# Allegro board RK_EXCAVATOR_MAIN_V12_20161114_FZBFINAL.brd (continued)
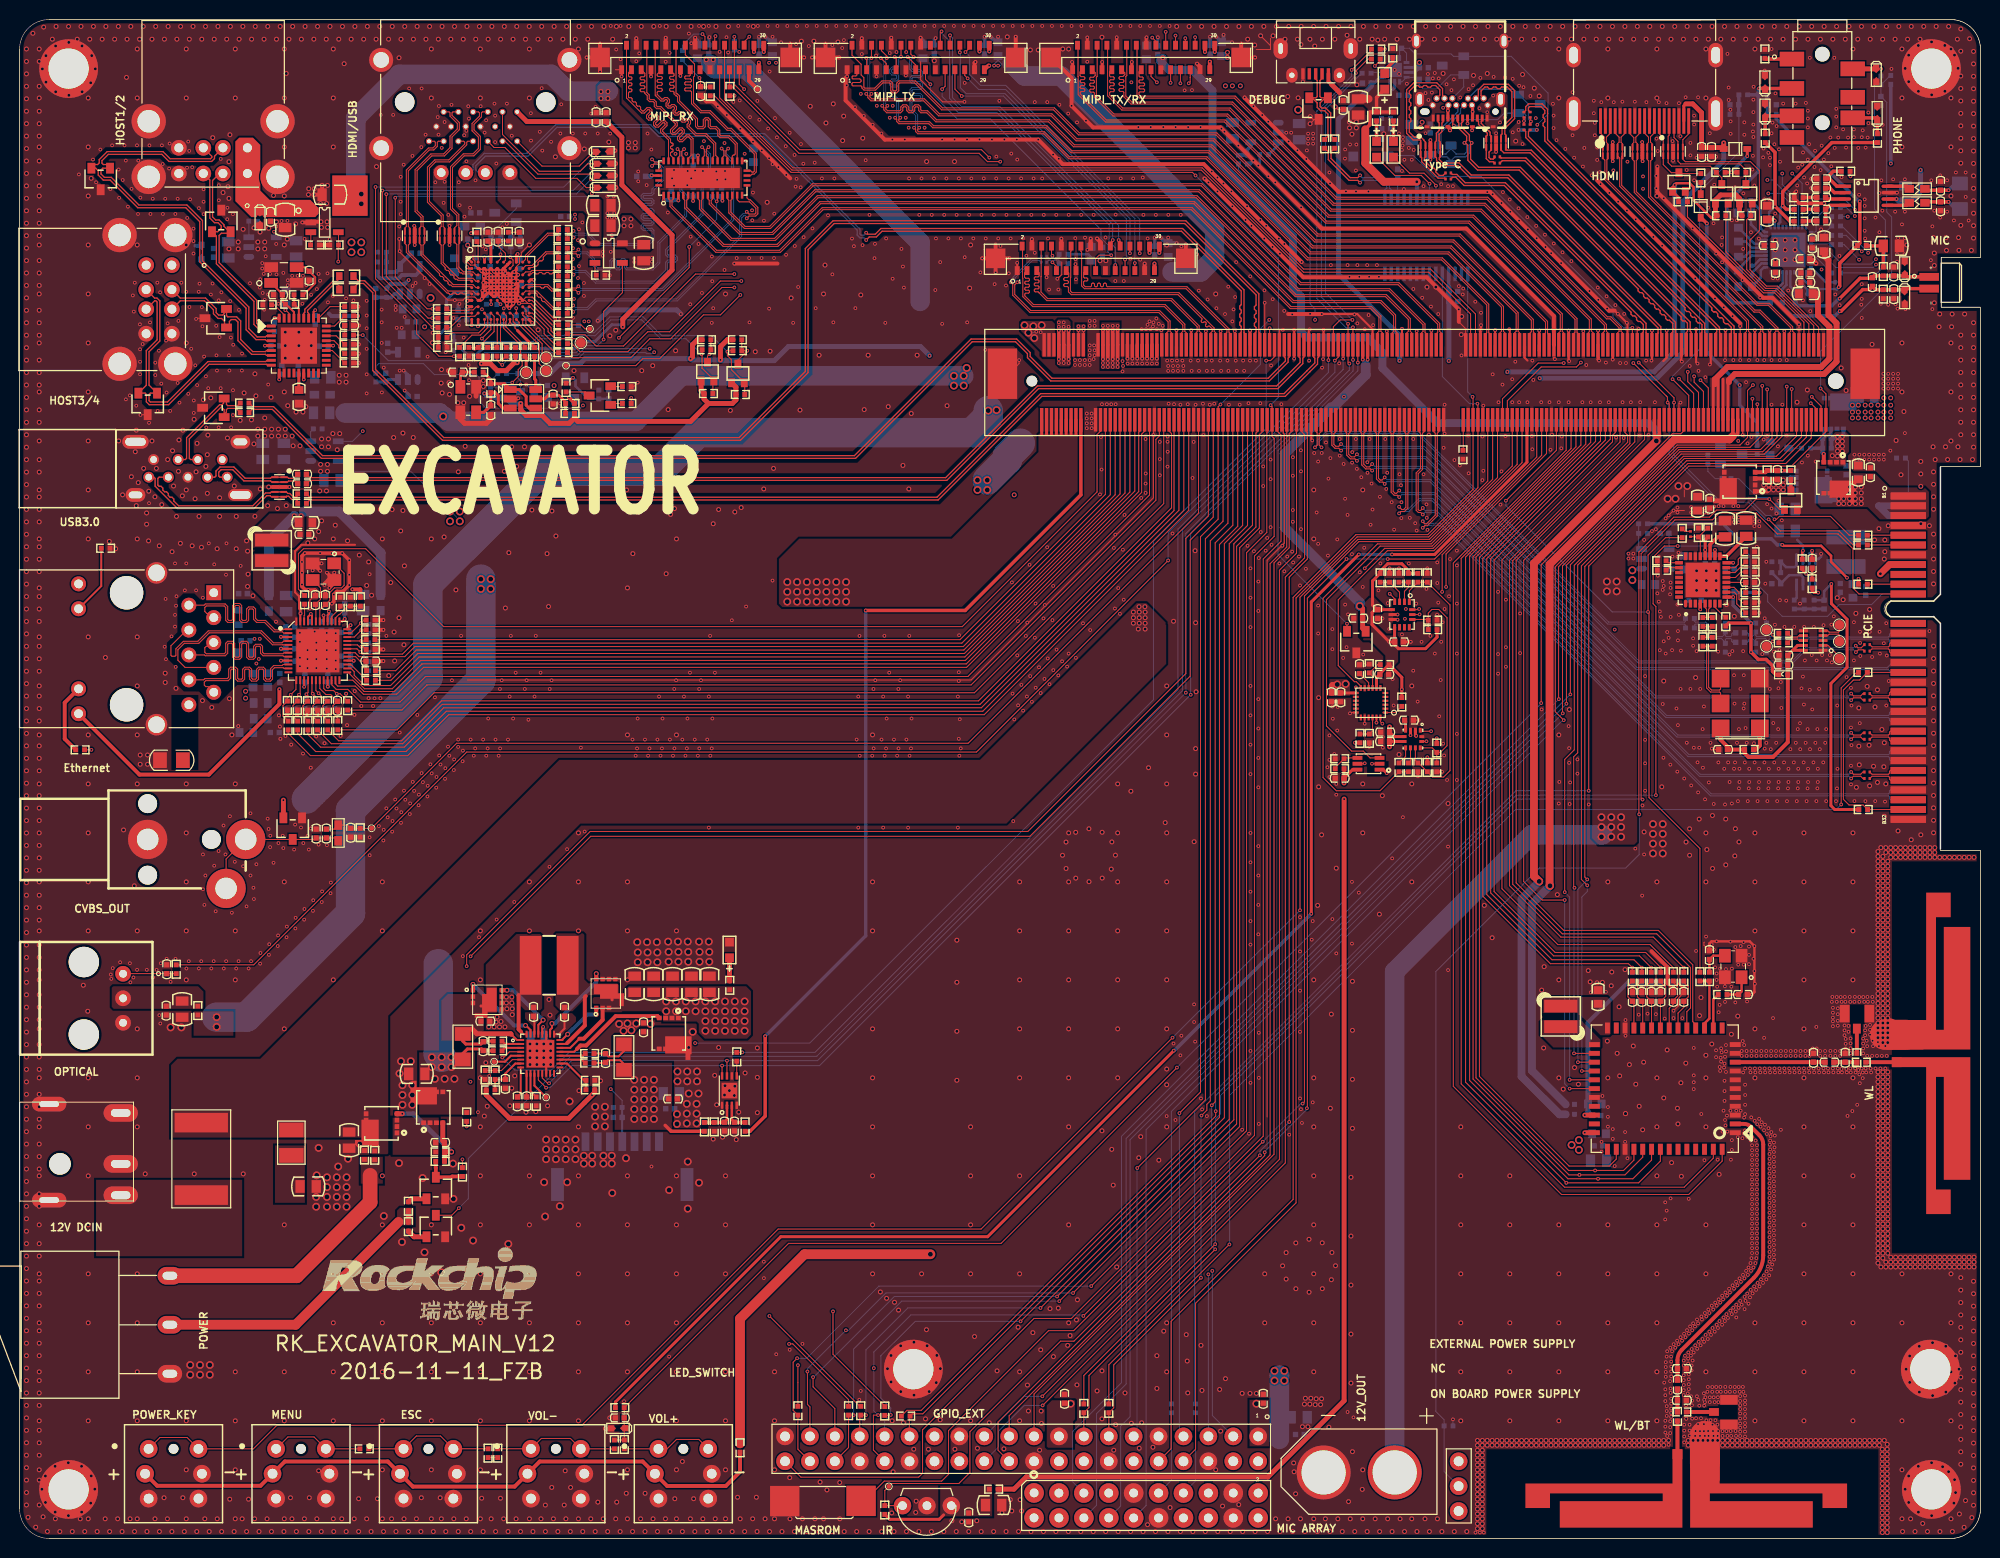
[diagram p0: board, top side]
## Routing (per net, layer and track width the routed paths; a pad name or vN(x,y) marks a point on that pad's centre or on a via; arc(x,y) is an arc through that point) (continued)
MIPI_RX0_D1N: length 84.6
  TOP w0.102: U4601.10 70.19,136.71 70.34,136.56 70.34,136.17 73.43,133.08 76.84,133.08 81.19,137.43 120.27,137.43 130.37,127.33 139.67,127.33 143.15,123.85 143.15,123.18 143,123.03 J9001.152
MIPI_RX0_D1P: length 84.6
  TOP w0.102: U4601.11 70.69,136.71 70.54,136.56 70.54,136.26 73.52,133.28 76.76,133.28 81.11,137.63 120.36,137.63 130.45,127.54 139.75,127.54 143.35,123.94 143.35,123.09 143.5,122.95 J9001.154
MIPI_RX0_D2N: length 84.9
  TOP w0.102: U4601.5 67.69,136.71 67.84,136.56 67.84,135.77 71.75,131.86 77.35,131.86 81.7,136.21 119.77,136.21 129.86,126.12 138.8,126.12 140.15,124.77 140.15,123.18 140,123.03 J9001.140
MIPI_RX0_D2P: length 84.9
  TOP w0.102: U4601.6 68.19,136.71 68.04,136.56 68.04,135.86 71.84,132.06 77.26,132.06 81.62,136.42 119.85,136.42 129.95,126.32 138.88,126.32 140.35,124.85 140.35,123.18 140.5,123.03 J9001.142
MIPI_RX0_D3N: length 84.7
  TOP w0.102: J9001.134 138.5,123.03 138.65,123.18 138.65,124.67 137.81,125.51 129.61,125.51 119.52,135.6 81.95,135.6 77.6,131.25 71.01,131.25 66.34,135.92 66.34,136.56 66.19,136.71 U4601.2
MIPI_RX0_D3P: length 84.7
  TOP w0.102: J9001.136 139,123.03 138.85,123.18 138.85,124.75 137.89,125.71 129.7,125.71 119.6,135.81 81.87,135.81 77.52,131.45 71.1,131.45 66.54,136.01 66.54,136.56 66.69,136.71 U4601.3
MIPI_RX_CLKN: length 29.3
  TOP w0.102: v1(56.5,129.63) 56.27,129.4 55.97,129.4 55.87,129.5 R8510.2 ; U4601.30 69.69,140.95 69.84,141.1 69.84,141.75 v1(69.61,141.99)
  BOTTOM w0.102: v1(56.5,129.63) 56.73,129.4 57.75,129.4 58.85,128.3 64.77,128.3 65.9,129.44 65.9,130.25 66.11,130.46 66.81,130.46 66.9,130.54 66.9,130.67 66.81,130.76 66.11,130.76 65.9,130.97 65.9,131.53 69.52,135.15 69.52,138.57 70.25,139.3 70.25,141.22 69.86,141.6 69.86,141.73 v1(69.61,141.99)
MIPI_RX_CLKP: length 29.6
  TOP w0.102: R8509.2 55.87,129.1 55.97,129.2 56.27,129.2 v1(56.5,128.97) ; U4601.29 70.19,140.95 70.04,141.1 70.04,141.75 v1(70.28,141.99)
  BOTTOM w0.102: v1(56.5,128.97) 56.73,129.2 57.66,129.2 58.76,128.1 64.85,128.1 66.1,129.35 66.1,130.16 66.19,130.25 66.89,130.25 67.1,130.46 67.1,130.76 66.89,130.96 66.19,130.96 66.1,131.05 66.1,131.45 69.72,135.06 69.72,138.48 70.45,139.21 70.45,141.3 70.07,141.68 70.07,141.78 v1(70.28,141.99)
MIPI_RX_D0N: length 28.3
  TOP w0.102: U4601.16 73.19,136.62 73.41,136.4 74.45,136.4 75.1,135.75 75.1,135.26 75,135.15 74.4,135.15 v1(74.17,135.39) ; v1(56.46,125.83) 56.23,125.6 55.97,125.6 55.87,125.7 R8514.2
  BOTTOM w0.102: v1(74.17,135.39) 73.98,135.2 73.8,135.2 73.45,134.85 73.45,132.93 67,126.49 58.76,126.49 57.87,125.6 56.69,125.6 v1(56.46,125.83)
MIPI_RX_D0P: length 28.9
  TOP w0.102: v1(74.17,134.72) 74.4,134.95 75.08,134.95 75.3,135.17 75.3,135.84 74.53,136.6 74.4,136.6 74.19,136.81 U4601.18 ; R8511.2 55.87,125.3 55.97,125.4 56.23,125.4 v1(56.46,125.17)
  BOTTOM w0.102: v1(74.17,134.72) 74.17,134.83 74,135 73.88,135 73.65,134.76 73.65,132.85 67.09,126.29 58.84,126.29 57.95,125.4 56.69,125.4 v1(56.46,125.17)
MIPI_RX_D1N: length 29.1
  TOP w0.102: v1(71.61,141.84) 71.84,141.61 71.84,141.1 71.69,140.95 U4601.26 ; v1(57,127.78) 56.81,127.59 56.8,127.6 55.97,127.6 55.87,127.7 R8518.2
  BOTTOM w0.102: v1(71.61,141.84) 71.84,141.61 71.84,141.27 72.64,140.48 72.64,134.63 65.56,127.55 57.23,127.55 v1(57,127.78)
MIPI_RX_D1P: length 29.7
  TOP w0.102: R8515.2 55.87,127.2 56.07,127.4 56.72,127.4 v1(57,127.12) ; v1(72.28,141.84) 72.04,141.61 72.04,141.1 72.19,140.95 U4601.25
  BOTTOM w0.102: v1(57,127.12) 57.23,127.35 65.65,127.35 72.84,134.54 72.84,140.56 72.04,141.36 72.04,141.61 v1(72.28,141.84)
MIPI_RX_D2N: length 28.5
  TOP w0.102: U4601.35 67.19,140.95 67.34,141.1 67.34,141.55 v1(67.11,141.79) ; R8522.2 55.87,131.4 55.97,131.3 56.77,131.3 v1(57,131.53)
  BOTTOM w0.102: v1(67.11,141.79) 67.34,141.55 67.34,137.52 67.85,137.02 67.85,135.03 65.1,132.28 65.1,130.23 64.52,129.65 62.01,129.65 61.92,129.74 61.92,130.39 61.72,130.6 61.42,130.6 61.21,130.39 61.21,129.74 61.12,129.65 61,129.65 60.91,129.74 60.91,130.39 60.7,130.6 60.4,130.6 60.2,130.39 60.2,129.74 60.11,129.65 58.98,129.65 58.63,130.01 58.63,130.62 57.95,131.3 57.23,131.3 v1(57,131.53)
MIPI_RX_D2P: length 28.8
  TOP w0.102: v1(67.78,141.79) 67.54,141.55 67.54,141.1 67.69,140.95 U4601.34 ; v1(57,130.87) 56.77,131.1 55.97,131.1 55.87,131 R8519.2
  BOTTOM w0.102: v1(67.78,141.79) 67.54,141.55 67.54,137.61 68.05,137.1 68.05,134.95 65.3,132.2 65.3,130.15 64.6,129.45 61.93,129.45 61.72,129.66 61.72,130.31 61.63,130.4 61.51,130.4 61.42,130.31 61.42,129.66 61.21,129.45 60.91,129.45 60.7,129.66 60.7,130.31 60.62,130.4 60.49,130.4 60.4,130.31 60.4,129.66 60.19,129.45 58.9,129.45 58.42,129.93 58.42,130.54 57.86,131.1 57.23,131.1 v1(57,130.87)
MIPI_RX_D3N: length 27.6
  TOP w0.102: R8525.2 55.87,133.3 55.97,133.2 56.27,133.2 v1(56.5,133.43) ; v1(64.51,140.06) 64.69,140.25 65.21,140.25 65.39,140.08 65.39,139.94 65.19,139.74 U4601.39
  BOTTOM w0.102: v1(56.5,133.43) 56.73,133.2 58.04,133.2 59.08,132.15 64.07,132.15 64.5,132.59 64.5,133.41 64.41,133.5 63.61,133.5 63.4,133.71 63.4,134 63.61,134.21 64.41,134.21 64.5,134.3 64.5,134.43 64.41,134.52 63.61,134.52 63.4,134.73 63.4,135.02 63.61,135.23 64.41,135.23 64.5,135.32 64.5,135.44 64.41,135.53 63.61,135.53 63.4,135.74 63.4,136.04 63.61,136.25 64.41,136.25 64.5,136.33 64.5,136.46 64.41,136.55 63.61,136.55 63.4,136.76 63.4,137.05 63.61,137.26 64.41,137.26 64.5,137.35 64.5,137.7 65.45,138.65 65.45,139.82 64.97,140.3 64.74,140.3 v1(64.51,140.06)
MIPI_RX_D3P: length 28
  TOP w0.102: R8523.2 55.87,132.9 55.97,133 56.27,133 v1(56.5,132.77) ; v1(64.51,140.73) 64.79,140.45 65.56,140.45 U4601.38
  BOTTOM w0.102: v1(56.5,132.77) 56.73,133 57.95,133 59,131.95 64.15,131.95 64.7,132.5 64.7,133.5 64.49,133.71 63.69,133.71 63.6,133.79 63.6,133.92 63.69,134.01 64.49,134.01 64.7,134.22 64.7,134.51 64.49,134.72 63.69,134.72 63.6,134.81 63.6,134.94 63.69,135.03 64.49,135.03 64.7,135.23 64.7,135.53 64.49,135.74 63.69,135.74 63.6,135.83 63.6,135.95 63.69,136.04 64.49,136.04 64.7,136.25 64.7,136.54 64.49,136.75 63.69,136.75 63.6,136.84 63.6,136.97 63.69,137.06 64.49,137.06 64.7,137.27 64.7,137.62 65.65,138.56 65.65,139.9 65.05,140.5 64.74,140.5 v1(64.51,140.73)
MIPI_TX0_CLKN: length 85
  TOP w0.102: v1(88.51,146.2) 88.35,146.04 88.35,145.88 88.53,145.69 89.78,145.69 89.88,145.8 89.88,146.08 90.1,146.3 90.47,146.3 90.69,146.08 90.69,145.8 90.8,145.69 91,145.69 91.1,145.8 91.1,146.08 91.32,146.3 91.69,146.3 91.91,146.08 91.91,145.8 92.01,145.69 92.62,145.69 93.54,144.77 105.04,144.77 107.59,142.22 121.61,142.22 131.93,131.9 146.04,131.9 152.85,125.09 152.85,123.18 153,123.03 J9001.184 ; J4701.8 87.9,151.83 88.45,151.28 v1(88.45,151.08)
  BOTTOM w0.102: v1(88.51,146.2) 88.35,146.36 88.35,150.98 v1(88.45,151.08)
MIPI_TX0_CLKP: length 85
  TOP w0.102: J9001.182 152.5,123.03 152.65,123.18 152.65,125 145.95,131.7 131.85,131.7 121.52,142.02 107.51,142.02 104.96,144.57 93.45,144.57 92.53,145.49 91.93,145.49 91.71,145.71 91.71,146 91.61,146.1 91.4,146.1 91.3,146 91.3,145.71 91.08,145.49 90.71,145.49 90.49,145.71 90.49,146 90.39,146.1 90.19,146.1 90.08,146 90.08,145.71 89.86,145.49 88.45,145.49 88.15,145.8 88.15,146.04 v1(87.98,146.2) ; v1(87.84,151.08) 88.4,150.52 J4701.9
  BOTTOM w0.102: v1(87.84,151.08) 88.15,150.77 88.15,146.36 v1(87.98,146.2)
MIPI_TX0_D0N: length 84.5
  TOP w0.102: J4701.14 90.9,151.47 v1(91.19,151.18) ; v1(91.76,143.97) 91.6,143.81 91.6,143.65 91.7,143.55 104.53,143.55 107.08,141 121.1,141 131.43,130.68 145.13,130.68 149.85,125.96 149.85,123.05 150,122.9 J9001.172
  BOTTOM w0.102: v1(91.76,143.97) 91.6,144.13 91.6,145.29 91.02,145.87 91.02,146.55 91.12,146.65 91.89,146.65 92.11,146.87 92.11,147.24 91.89,147.46 91.12,147.46 91.02,147.56 91.02,147.77 91.12,147.87 91.89,147.87 92.11,148.09 92.11,148.46 91.89,148.68 91.12,148.68 91.02,148.78 91.02,148.99 91.12,149.09 91.89,149.09 92.11,149.31 92.11,149.68 91.89,149.9 91.12,149.9 90.99,150.03 90.99,150.98 v1(91.19,151.18)
MIPI_TX0_D0P: length 84.8
  TOP w0.102: J9001.170 149.5,122.89 149.65,123.04 149.65,125.87 145.04,130.48 131.34,130.48 121.02,140.8 107,140.8 104.45,143.35 91.62,143.35 91.4,143.57 91.4,143.81 v1(91.23,143.97) ; J4701.15 91.4,150.36 v1(90.58,151.18)
  BOTTOM w0.102: v1(90.58,151.18) 90.79,150.98 90.79,149.94 91.03,149.7 91.8,149.7 91.9,149.6 91.9,149.39 91.8,149.29 91.03,149.29 90.81,149.07 90.81,148.7 91.03,148.48 91.8,148.48 91.9,148.38 91.9,148.17 91.8,148.07 91.03,148.07 90.81,147.85 90.81,147.48 91.03,147.26 91.8,147.26 91.9,147.16 91.9,146.96 91.8,146.85 91.03,146.85 90.81,146.63 90.81,145.79 91.4,145.2 91.4,144.13 v1(91.23,143.97)
MIPI_TX0_D1N: length 84.7
  TOP w0.102: v1(89.26,151.18) 89.4,151.04 J4701.11 ; J9001.176 151,123.03 151.15,123.18 151.15,125.64 145.7,131.09 131.59,131.09 121.27,141.41 107.25,141.41 104.7,143.96 93.15,143.96 92.74,144.37 89.69,144.37 89.47,144.59 89.47,144.82 v1(89.3,144.98)
  BOTTOM w0.102: v1(89.3,144.98) 89.47,145.15 89.47,146.8 89.36,146.9 88.98,146.9 88.76,147.12 88.76,147.5 88.98,147.72 89.36,147.72 89.47,147.82 89.47,148.02 89.36,148.12 88.98,148.12 88.76,148.34 88.76,148.71 88.98,148.94 89.36,148.94 89.47,149.04 89.47,149.24 89.36,149.34 88.98,149.34 88.76,149.56 88.76,149.93 88.98,150.15 89.36,150.15 89.47,150.26 89.47,150.98 v1(89.26,151.18)
MIPI_TX0_D1P: length 84.6
  TOP w0.102: v1(89.83,144.98) 89.67,144.82 89.67,144.68 89.77,144.58 92.82,144.58 93.23,144.16 104.79,144.16 107.34,141.61 121.35,141.61 131.68,131.29 145.79,131.29 151.35,125.73 151.35,123.18 151.5,123.03 J9001.178 ; J4701.12 v1(89.9,151.21)
  BOTTOM w0.102: v1(89.83,144.98) 89.67,145.15 89.67,146.89 89.45,147.11 89.06,147.11 88.96,147.21 88.96,147.41 89.06,147.51 89.45,147.51 89.67,147.73 89.67,148.11 89.45,148.33 89.06,148.33 88.96,148.43 88.96,148.63 89.06,148.73 89.45,148.73 89.67,148.95 89.67,149.32 89.45,149.55 89.06,149.55 88.96,149.65 88.96,149.85 89.06,149.95 89.45,149.95 89.67,150.17 89.67,150.98 v1(89.9,151.21)
MIPI_TX0_D2N: length 85.1
  TOP w0.102: v1(86.36,151.08) 86.4,151.03 J4701.5 ; J9001.188 154,122.95 154.2,123.15 154.2,124.32 146.21,132.31 132.1,132.31 121.78,142.63 107.76,142.63 105.21,145.18 93.74,145.18 92.21,146.71 86.84,146.71 86.52,147.03 86.52,147.26 v1(86.36,147.42)
  BOTTOM w0.102: v1(86.36,147.42) 86.52,147.58 86.52,150.92 v1(86.36,151.08)
MIPI_TX0_D2P: length 85.2
  TOP w0.102: J9001.190 154.5,123 154.4,123.1 154.4,124.4 146.29,132.51 132.18,132.51 121.86,142.83 107.84,142.83 105.29,145.38 93.83,145.38 92.29,146.91 86.93,146.91 86.72,147.12 86.72,147.26 v1(86.89,147.42) ; J4701.6 86.89,152.37 v1(86.89,151.08)
  BOTTOM w0.102: v1(86.89,147.42) 86.72,147.58 86.72,150.92 v1(86.89,151.08)
MIPI_TX0_D3N: length 89.1
  TOP w0.102: J4701.2 84.9,151.37 85.83,150.44 85.83,149.35 86.11,149.07 86.11,148.11 86.22,148.01 87.22,148.01 87.96,148.74 88.84,148.74 89.06,148.52 89.06,147.83 89.16,147.73 89.36,147.73 89.47,147.83 89.47,148.52 89.69,148.74 91.38,148.74 94.13,145.99 105.54,145.99 108.09,143.44 122.11,143.44 132.44,133.12 146.93,133.12 155.85,124.2 155.85,123 156,122.85 J9001.196
MIPI_TX0_D3P: length 89
  TOP w0.102: J4701.3 85.4,149.35 85.3,149.25 85,149.25 84.92,149.17 84.92,149.03 85,148.95 85.71,148.95 85.83,148.82 85.83,148.71 85.71,148.58 85,148.58 84.89,148.48 84.89,148.34 85,148.23 85.81,148.23 85.91,148.14 85.91,148.02 86.13,147.8 87.31,147.8 88.04,148.54 88.75,148.54 88.86,148.44 88.86,147.74 89.08,147.52 89.45,147.52 89.67,147.74 89.67,148.44 89.77,148.54 91.3,148.54 94.05,145.79 105.46,145.79 108.01,143.24 122.03,143.24 132.35,132.91 146.85,132.91 155.65,124.11 155.65,123.05 155.5,122.9 J9001.194
MIPI_TX1/RX1_CLKN: length 66.4
  TOP w0.102: J4702.8 110.98,152.31 110.98,147.22 112.43,145.77 123.39,145.77 133.72,135.45 149.01,135.45 160.11,124.35 160.11,123.14 160,123.03 J9001.212
MIPI_TX1/RX1_CLKP: length 66.2
  TOP w0.102: J9001.214 160.5,123.03 160.32,123.21 160.32,124.43 149.1,135.65 133.8,135.65 123.48,145.98 112.51,145.98 111.18,147.31 111.18,147.55 111.27,147.64 111.56,147.64 111.65,147.73 111.65,147.85 111.56,147.94 111.27,147.94 111.18,148.03 111.18,148.16 111.27,148.25 111.56,148.25 111.65,148.34 111.65,148.46 111.56,148.55 111.27,148.55 111.18,148.64 111.18,148.77 111.27,148.86 111.56,148.86 111.65,148.95 111.65,149.07 111.56,149.16 111.27,149.16 111.18,149.25 111.18,149.66 J4702.9
MIPI_TX1/RX1_D0N: length 65.9
  TOP w0.102: J9001.224 163,123.03 163.15,123.18 163.15,123.54 162.23,124.46 161.87,124.46 149.67,136.67 134.22,136.67 123.9,146.99 114.26,146.99 113.98,147.27 113.98,152.31 J4702.14
MIPI_TX1/RX1_D0P: length 66
  TOP w0.102: J4702.15 114.18,149.66 114.18,149.24 114.27,149.15 114.51,149.15 114.6,149.06 114.6,148.93 114.51,148.84 114.27,148.84 114.18,148.75 114.18,148.63 114.27,148.54 114.66,148.54 114.75,148.45 114.75,148.32 114.66,148.23 114.27,148.23 114.18,148.14 114.18,148.02 114.27,147.93 114.66,147.93 114.75,147.84 114.75,147.71 114.66,147.62 114.27,147.62 114.18,147.53 114.18,147.36 114.34,147.19 123.98,147.19 124.04,147.13 134.31,136.87 149.75,136.87 161.96,124.66 162.31,124.66 163.35,123.63 163.35,123.18 163.5,123.03 J9001.226
MIPI_TX1/RX1_D1N: length 65.9
  TOP w0.102: J9001.218 161.5,123.03 161.56,123.09 161.65,123.18 161.65,123.8 149.39,136.06 133.97,136.06 123.65,146.38 113.37,146.38 112.63,147.12 112.63,147.58 112.54,147.67 112.24,147.67 112.15,147.76 112.15,147.88 112.24,147.97 112.54,147.97 112.63,148.06 112.63,148.19 112.54,148.28 112.24,148.28 112.15,148.37 112.15,148.49 112.24,148.58 112.54,148.58 112.63,148.67 112.63,148.8 112.54,148.89 112.24,148.89 112.15,148.98 112.15,149.1 112.24,149.19 112.54,149.19 112.73,149.39 112.73,149.56 J4702.11
MIPI_TX1/RX1_D1P: length 66.1
  TOP w0.102: J4702.12 112.94,152.35 112.94,149.3 112.83,149.2 112.83,147.21 113.45,146.58 123.73,146.58 127.77,142.55 134.05,136.26 149.48,136.26 161.85,123.89 161.85,123.18 162,123.03 J9001.220
MIPI_TX1/RX1_D2N: length 66.3
  TOP w0.102: J4702.5 109.71,149.58 109.71,149.29 109.54,149.12 109.24,149.12 109.15,149.03 109.15,148.9 109.24,148.81 109.54,148.81 109.63,148.73 109.63,148.6 109.54,148.51 109.24,148.51 109.15,148.42 109.15,148.29 109.24,148.21 109.54,148.21 109.63,148.12 109.63,147.99 109.54,147.9 109.24,147.9 109.15,147.81 109.15,147.68 109.24,147.6 109.54,147.6 109.63,147.51 109.63,147.07 111.54,145.16 123.14,145.16 133.47,134.84 148.22,134.84 158.65,124.41 158.65,123.1 158.5,122.95 J9001.206
MIPI_TX1/RX1_D2P: length 66.4
  TOP w0.102: J4702.6 109.91,152.38 109.91,149.21 109.83,149.12 109.83,147.16 111.62,145.37 123.23,145.37 133.55,135.04 148.31,135.04 158.85,124.5 158.85,123.1 159,122.95 J9001.208
MIPI_TX1/RX1_D3N: length 66.7
  TOP w0.102: J9001.200 157,123.03 157.15,123.18 157.15,124.89 147.81,134.23 133.21,134.23 122.89,144.55 110.76,144.55 107.98,147.34 107.98,149.18 107.96,149.2 107.96,152.33 J4702.2
MIPI_TX1/RX1_D3P: length 66.5
  TOP w0.102: J9001.202 157.5,123.03 157.35,123.18 157.35,124.97 147.89,134.43 133.3,134.43 122.97,144.76 110.84,144.76 108.18,147.42 108.18,147.57 108.27,147.66 108.56,147.66 108.65,147.74 108.65,147.87 108.56,147.96 108.27,147.96 108.18,148.05 108.18,148.18 108.27,148.27 108.56,148.27 108.65,148.35 108.65,148.48 108.56,148.57 108.27,148.57 108.18,148.66 108.18,148.79 108.27,148.87 108.56,148.87 108.65,148.96 108.65,149.09 108.56,149.18 108.27,149.18 108.16,149.29 108.16,149.64 J4702.3
MPU_AD0: length 3.1
  TOP w0.102: R8004.2 138.52,89.18 R8007.2 138,87.98 U8002.9
MPU_CS: length 2.8
  TOP w0.102: R8003.1 R8006.2 138,82.42 U8002.22
PCIE_3V3: length 56.7
  TOP w0.254: v1(186.39,98.04) 184.77,99.67 184.77,100.28 183.75,101.3 179.89,101.3 v1(179.79,101.4)
  TOP w0.3: v1(184.8,97.4) 184.8,95.4 186.4,93.8 186.4,88.9 184.75,87.25 184.75,74.78 185.15,74.38 R9019.2
  TOP w0.305: R8302.1 v1(187.57,97.93)
  TOP w0.7: v2(189.8,98.45) 190.73,99.38 J8301.B8
  BOTTOM w0.254: R906.1 C904.1 184.06,96.66 v1(184.8,97.4)
  BOTTOM w0.35: R8335.1 173.75,103.55 175.29,102.01 178.67,102.01 179.28,101.4 v1(179.79,101.4)
PCIE_12V: length 9.6
  TOP w0.254: v1(181.9,100.79) 181.82,100.71 R905.1
  BOTTOM w0.254: 181.31,101.9 181.9,101.32 v1(181.9,100.79) U900.2
  BOTTOM w0.7: J8301.A3 190.62,104.38 189.62,105.38 J8301.A2
  vias: v2(185.55,106.1) v2(185.55,105.6) v2(186.05,106.1) v2(186.05,105.6) v2(186.65,107.3) v2(186.65,106.7) v2(186.65,106.1) v2(186.65,105.6) v2(187.25,107.3) v2(187.25,106.7) v2(187.25,106.1) v2(187.25,105.6) v2(187.85,107.3) v2(187.85,106.7) v2(187.85,106.1) v2(187.85,105.6)
PCIE_CLKN: length 20.4
  TOP w0.102: TP8302.1 178.33,91.03 v1(178.85,91.55) 179.08,91.78 179.32,91.78 179.44,91.67 R8303.2
  BOTTOM w0.102: 178.18,91.48 178.48,91.78 178.62,91.78 v1(178.85,91.55) 179.08,91.78 179.65,91.78 190.62,91.78 190.72,91.68 190.72,91.48 190.82,91.38 J8301.A14 ; 178.18,91.48 178.18,91.73 178.08,91.83 177.19,91.83 177.09,91.73 177.09,91.49 ; 178.18,91.48 R8312.1 ; C8308.2 176.24,91.45 176.34,91.55 176.34,91.73 176.44,91.83 176.75,91.83 177.09,91.49 ; 177.09,91.49 R8306.2
PCIE_CLKP: length 20.4
  TOP w0.102: R8301.2 179.44,92.09 179.34,91.98 179.08,91.98 v1(178.85,92.22) 178.33,92.73 TP8304.1
  BOTTOM w0.102: 177.09,92.37 177.09,92.13 177.19,92.03 178.08,92.03 178.18,92.13 178.18,92.37 ; 177.09,92.37 R8307.2 ; 177.09,92.37 176.75,92.03 176.44,92.03 176.34,92.13 176.34,92.31 176.24,92.41 C8309.2 ; 178.18,92.37 178.5,92.05 178.68,92.05 v1(178.85,92.22) 179.08,91.98 179.73,91.98 190.62,91.98 190.72,92.09 190.72,92.28 190.82,92.38 J8301.A13 ; 178.18,92.37 R8313.1
PCIE_PERST#: length 161
  TOP w0.102: v1(169.13,101.28) 167.76,101.28 166.62,100.13 166.62,95.38 166.9,95.1 v1(166.9,75.85) ; v1(122,43.6) 122,43.1 91.97,13.07 90.52,13.07 R9009.2
  BOTTOM w0.102: v1(122,43.6) 122,45.2 152.65,75.85 v1(166.9,75.85) ; v1(169.13,101.28) 175.52,101.28 176.5,100.3 176.5,98.1 178.3,96.3 178.3,95.6 179.8,94.1 184.4,94.1 185.6,95.3 188.9,95.3 189.98,96.38 J8301.A11
PCIE_PRSNT: length 125.6
  TOP w0.102: R9007.2 111.1,17.72 123.38,30 v1(123.4,30) ; R8318.2 187.38,88.38 185.8,86.8 v1(185.8,74.9)
  BOTTOM w0.102: v1(185.8,74.9) 185.28,74.38 152.58,74.38 123.43,45.22 123.43,30.23 123.4,30.2 v1(123.4,30)
PCIE_PRSNTX1: length 25.6
  TOP w0.102: J8301.B31 R9019.1 188.03,74.85 186.6,74.85 186.03,75.42 186.03,86.58 187.05,87.6 187.69,87.6 R8318.1 J8301.B17
PCIE_REF_CLKN: length 49.8
  TOP w0.102: J9001.111 132.75,112.94 132.55,112.74 132.55,111.58 v1(132.79,111.34)
  BOTTOM w0.102: v1(132.79,111.34) 132.62,111.52 132.62,111.52 132.55,111.59 132.55,111.95 133.35,112.75 142.55,112.75 162,93.3 169.82,93.3 169.92,93.2 R8308.1
PCIE_REF_CLKP: length 50.1
  TOP w0.102: v1(132.13,111.34) 132.35,111.57 132.35,112.84 132.25,112.94 J9001.109
  BOTTOM w0.102: v1(132.13,111.34) 132.35,111.57 132.35,112.04 133.26,112.95 142.64,112.95 162.08,93.5 169.82,93.5 169.92,93.6 R8309.1
PCIE_RX0_N: length 70.3
  TOP w0.102: J9001.121 135.25,112.94 135.36,112.82 135.36,110.55 135.74,110.17 136.2,110.17 v1(136.41,109.97)
  BOTTOM w0.102: v1(136.41,109.97) 136.64,110.2 143.36,110.2 164.91,88.65 190.62,88.65 190.89,88.38 J8301.A17
PCIE_RX0_P: length 70.1
  TOP w0.102: v1(136.41,110.64) 136.15,110.37 135.83,110.37 135.57,110.63 135.57,112.76 135.75,112.94 J9001.123
  BOTTOM w0.102: v1(136.41,110.64) 136.64,110.4 143.45,110.4 165,88.85 190.49,88.85 191.02,89.38 J8301.A16
PCIE_RX1_N: length 70.9
  TOP w0.102: v1(139.24,107.61) 139.05,107.8 138.71,107.8 138.4,108.11 138.4,112.79 138.25,112.94 J9001.133
  BOTTOM w0.102: J8301.A22 190.82,83.38 190.72,83.48 190.72,83.68 190.62,83.78 167.92,83.78 143.85,107.85 139.47,107.85 v1(139.24,107.61)
PCIE_RX1_P: length 70.6
  TOP w0.102: J9001.135 138.75,112.94 138.6,112.79 138.6,108.2 138.8,108 138.96,108 v1(139.24,108.28)
  BOTTOM w0.102: J8301.A21 190.82,84.38 190.72,84.28 190.72,84.09 190.62,83.98 168,83.98 143.94,108.05 139.47,108.05 v1(139.24,108.28)
PCIE_RX2_N: length 73.8
  TOP w0.102: J9001.147 141.75,112.94 141.6,112.79 141.6,105.15 141.24,104.79 140.89,104.79 v1(140.71,104.61)
  BOTTOM w0.102: v1(140.71,104.61) 140.9,104.8 141.7,104.8 142.8,105.9 144.08,105.9 170.19,79.78 190.62,79.78 190.72,79.68 190.72,79.48 190.82,79.38 J8301.A26
PCIE_RX2_P: length 73.5
  TOP w0.102: J9001.145 141.25,112.94 141.4,112.79 141.4,105.23 141.16,104.99 140.99,104.99 v1(140.71,105.27)
  BOTTOM w0.102: J8301.A25 190.82,80.38 190.72,80.28 190.72,80.09 190.62,79.98 170.28,79.98 144.16,106.1 142.71,106.1 141.61,105 140.98,105 v1(140.71,105.27)
PCIE_RX3_N: length 73.2
  TOP w0.102: J9001.159 144.75,112.94 144.6,112.79 144.6,104.35 143.6,103.35 143.33,103.35 v1(143.12,103.14)
  BOTTOM w0.102: v1(143.12,103.14) 143.38,103.4 144.85,103.4 172.47,75.78 190.62,75.78 190.72,75.68 190.72,75.48 190.82,75.38 J8301.A30
PCIE_RX3_P: length 72.9
  TOP w0.102: J9001.157 144.25,112.94 144.4,112.79 144.4,104.43 143.51,103.55 143.3,103.55 143.12,103.73 v1(143.12,103.81)
  BOTTOM w0.102: v1(143.12,103.81) 143.33,103.6 144.94,103.6 172.55,75.98 190.62,75.98 190.72,76.09 190.72,76.28 190.82,76.38 J8301.A29
PCIE_SWITCH: length 132.4
  TOP w0.102: Q8307.1 179.53,105 v1(178.47,106.07) 177.12,106.07 176,104.95 173.1,104.95 172.37,104.22 168.72,104.22 165.17,100.67 165.17,73.93 v1(165.2,73.9)
  BOTTOM w0.102: R8333.1 175.35,108.15 177.3,106.2 178.3,106.2 178.43,106.07 v1(178.47,106.07) ; J8303.2 145.3,6.81 R89540.2 145.3,12.11 144.45,12.96 144.45,57.85 155.01,68.41 163.81,68.41 165.2,69.8 v1(165.2,73.9)
PCIE_TX0_N: length 4.3
  TOP w0.102: C8304.2 188.95,90.78 190.62,90.78 190.72,90.68 190.72,90.48 190.82,90.38 J8301.B15
PCIE_TX0_P: length 4.3
  TOP w0.102: J8301.B14 190.82,91.38 190.72,91.28 190.72,91.09 190.62,90.98 188.95,90.98 C8303.2
PCIE_TX0N: length 67.1
  TOP w0.102: v1(187.3,90.45) 187.54,90.68 188.04,90.68 C8304.1 ; v1(134.79,111.02) 134.55,111.25 134.17,111.25 133.85,111.57 133.85,112.84 133.75,112.94 J9001.115
  BOTTOM w0.102: v1(134.79,111.02) 135.02,111.25 143.19,111.25 165.09,89.35 180.89,89.35 182.22,90.68 187.07,90.68 v1(187.3,90.45)
PCIE_TX0P: length 66.9
  TOP w0.102: v1(134.79,111.69) 134.55,111.45 134.25,111.45 134.05,111.65 134.05,112.74 134.25,112.94 J9001.117 ; v1(187.28,91.1) 187.5,90.88 187.84,90.88 C8303.1
  BOTTOM w0.102: v1(134.79,111.69) 135.02,111.45 143.27,111.45 165.17,89.55 180.8,89.55 182.13,90.88 187.07,90.88 v1(187.28,91.1)
PCIE_TX1_N: length 4.3
  TOP w0.102: C8306.2 188.95,85.78 190.62,85.78 190.72,85.68 190.72,85.48 190.82,85.38 J8301.B20
PCIE_TX1_P: length 4.3
  TOP w0.102: C8305.2 188.95,85.98 190.62,85.98 190.72,86.09 190.72,86.28 190.82,86.38 J8301.B19
PCIE_TX1N: length 66.3
  TOP w0.102: v1(137.96,108.97) 137.79,109.15 137.3,109.15 136.9,109.55 136.9,112.79 136.75,112.94 J9001.127 ; C8306.1 188.02,85.55 187.79,85.78 187.05,85.78 v1(186.81,85.55)
  BOTTOM w0.102: v1(186.81,85.55) 186.58,85.78 166.78,85.78 143.35,109.21 138.19,109.21 v1(137.96,108.97)
PCIE_TX1P: length 66
  TOP w0.102: J9001.129 137.25,112.94 137.1,112.79 137.1,109.64 137.39,109.35 137.67,109.35 v1(137.96,109.64) ; v1(186.81,86.22) 187.05,85.98 187.79,85.98 188.02,86.21 C8305.1
  BOTTOM w0.102: v1(137.96,109.64) 138.19,109.41 143.44,109.41 166.86,85.98 186.58,85.98 v1(186.81,86.22)
PCIE_TX2_N: length 4.3
  TOP w0.102: J8301.B24 190.82,81.38 190.72,81.48 190.72,81.68 190.62,81.78 188.95,81.78 C8310.2
PCIE_TX2_P: length 4.3
  TOP w0.102: C8307.2 188.95,81.98 190.62,81.98 190.72,82.09 190.72,82.28 190.82,82.38 J8301.B23
PCIE_TX2N: length 66.6
  TOP w0.102: J9001.139 139.75,112.94 139.9,112.79 139.9,106.76 140.21,106.45 140.54,106.45 v1(140.72,106.27) ; v1(186.81,81.55) 187.05,81.78 187.79,81.78 188.02,81.55 C8310.1
  BOTTOM w0.102: v1(186.81,81.55) 186.58,81.78 169.06,81.78 144.33,106.51 140.95,106.51 v1(140.72,106.27)
PCIE_TX2P: length 66.3
  TOP w0.102: v1(140.72,106.94) 140.44,106.66 140.29,106.66 140.1,106.85 140.1,112.79 140.25,112.94 J9001.141 ; C8307.1 188.02,82.21 187.79,81.98 187.05,81.98 v1(186.81,82.22)
  BOTTOM w0.102: v1(140.72,106.94) 140.95,106.71 144.41,106.71 169.14,81.98 186.58,81.98 v1(186.81,82.22)
PCIE_TX3_N: length 4.3
  TOP w0.102: J8301.B28 190.82,77.38 190.72,77.48 190.72,77.68 190.62,77.78 188.95,77.78 C8312.2
PCIE_TX3_P: length 4.3
  TOP w0.102: C8311.2 188.95,77.98 190.62,77.98 190.72,78.09 190.72,78.28 190.82,78.38 J8301.B27
PCIE_TX3N: length 66.9
  TOP w0.102: v1(143.12,104.49) 142.91,104.7 142.67,104.7 142.45,104.92 142.45,108.74 142.9,109.18 142.9,112.79 142.75,112.94 J9001.151 ; C8312.1 188.02,77.55 187.79,77.78 187.05,77.78 v1(186.81,77.55)
  BOTTOM w0.102: v1(143.12,104.49) 143.36,104.73 144.39,104.73 171.33,77.78 186.58,77.78 v1(186.81,77.55)
PCIE_TX3P: length 66.6
  TOP w0.102: v1(143.12,105.16) 143.12,105.12 142.9,104.9 142.75,104.9 142.65,105 142.65,108.65 143.1,109.1 143.1,112.79 143.25,112.94 J9001.153 ; C8311.1 188.02,78.21 187.79,77.98 187.05,77.98 v1(186.81,78.22)
  BOTTOM w0.102: v1(143.12,105.16) 143.35,104.93 144.47,104.93 171.42,77.98 186.58,77.98 v1(186.81,78.22)
PCIE_WAKE#: length 152.7
  TOP w0.102: v1(121.95,30.03) 108.55,16.63 R9008.2 ; v1(165.54,75.4) 165.39,75.55 165.39,100.49 168.85,103.95 172.67,103.95 173.37,104.65 177.15,104.65 179.29,102.51 185.48,102.51 187,101 187,97 187.62,96.38 J8301.B11
  BOTTOM w0.102: v1(121.95,30.03) 121.96,30.03 121.96,42.8 122.5,43.34 122.5,45.2 152.75,75.45 165.49,75.45 v1(165.54,75.4)
